# Altium PCB HW_V1.0.0.PcbDoc (continued)
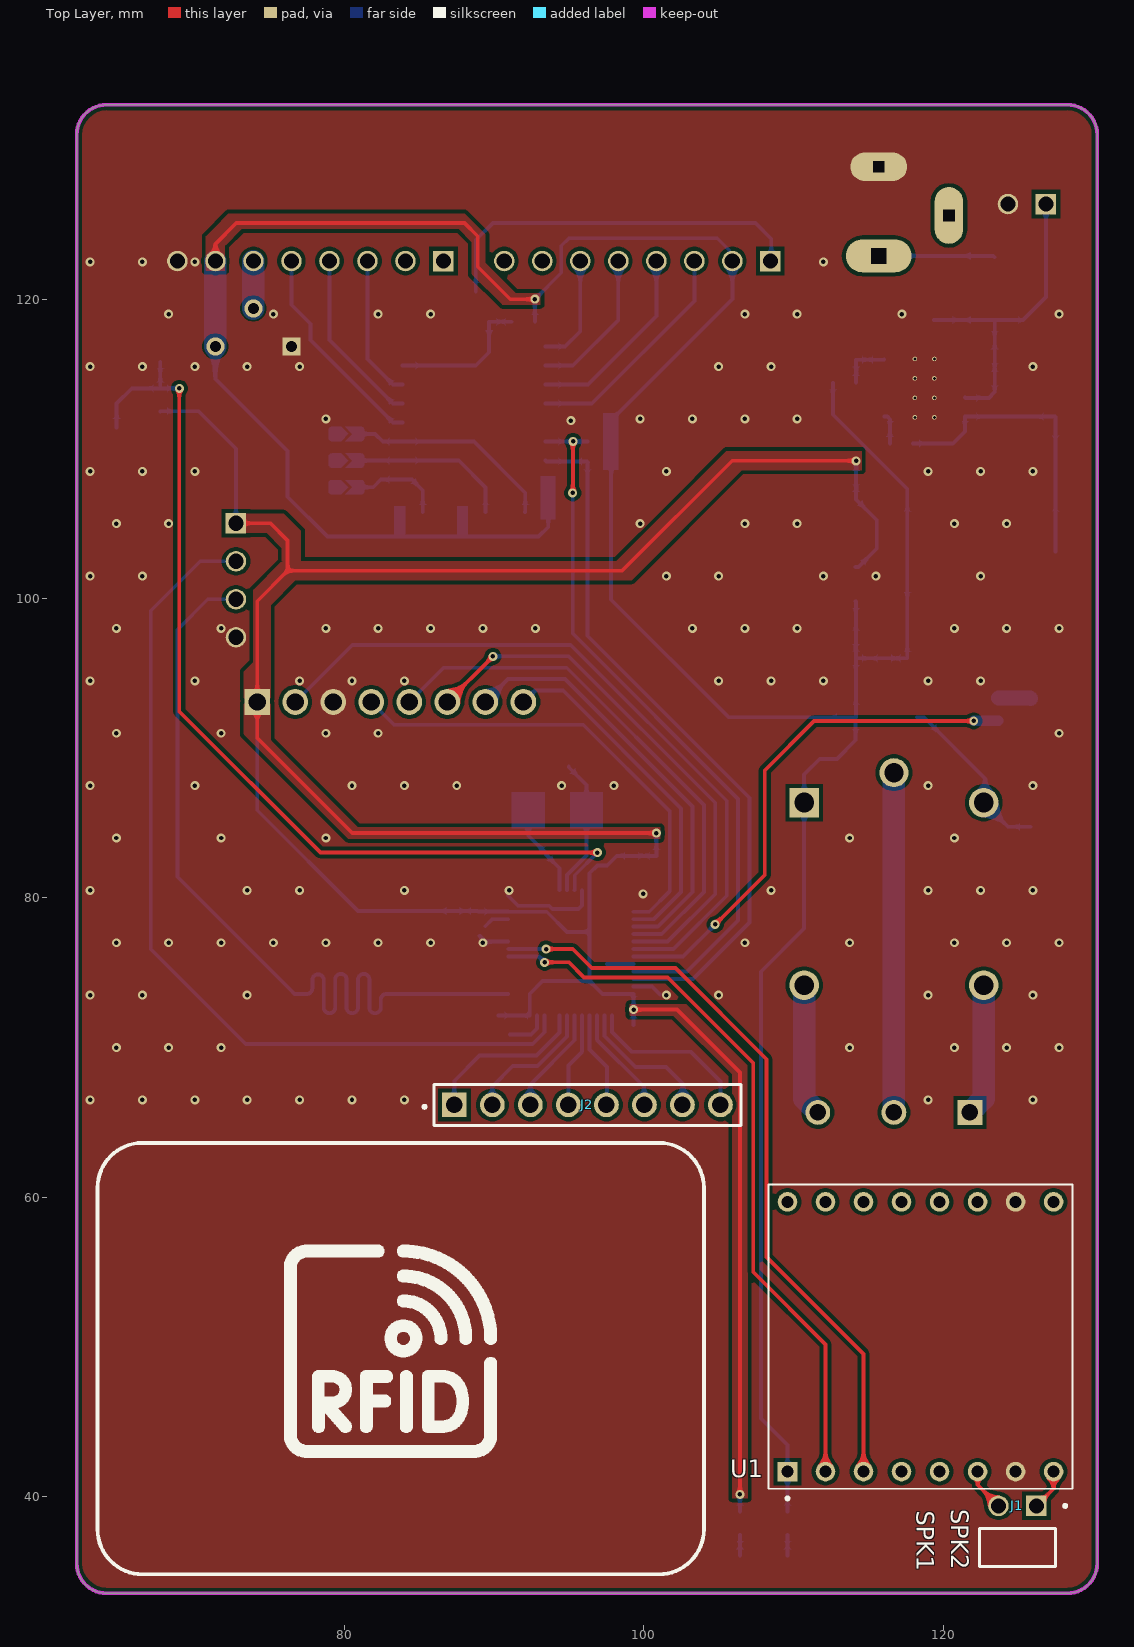
[diagram p0: Top Layer view]
## Footprints (in the part's own frame and the unit in brackets; to place one, negate y for a bottom-side part, rotate by r counter-clockwise, add the part's x,y. Pads: shape width x height; smd on the part's side, far side on the other; paste and mask are expansions set on the pad) (continued)
SW2-SMD [mm]
  rect 1.2x0.8 smd: 1(-3.5,0) 2(3.5,0)
  silkscreen extent -2.82,-1.85 2.82,1.85, body extent -3.05,-1.85 3.05,1.85, height 2.5
TE_282837-3 [mm]
  rect 1.65x1.65 hole 1.1: 1(-5.08,0)
  round 1.65 hole 1.1: 2(0,0) 3(5.08,0)
  silkscreen extent -8.5,-4.1 7.62,4.1, body extent -8.2,-4.11 7.64,4.09, height 9.95
TRIM_3362P-103 [mm]
  rect 1.222x1.222 / inner round 1.222 / far side rect 1.222x1.222 hole 0.714: 1(-2.54,0)
  round 1.222 hole 0.714: 2(0,2.54) 3(2.54,0)
  silkscreen extent -4.16,-3.53 3.3,3.47, body extent -3.3,-3.49 3.3,3.49, height 4.88
"XTAL 8MHz" [mil]
  round 1 smd: 1(-76.69,0) 2(76.69,0)
  Top Layer region: 33.39,47.24 120,47.24 120,-47.24 33.39,-47.24
  Top Layer region: -120,47.24 -120,-47.24 -33.39,-47.24 -33.39,47.24
  silkscreen extent -35,-70 35,70, body extent -98,-63 98,63, height 59

## Part data
3V3 5V: library part "LED SMD"
C1 C2 C3 C4 C5 C6 C7 C8 C9 C10 C11 C12 C13 C14 C15 C16 C17 C18 C19: library part CAP_SMD, "CAP_Chip"
D1 D3: library part "Diode SMD", "Default Diode", Code - JEDEC=DO-214-AB, Published=8-Jun-2000, Publisher="Altium Limited", Revision="July-2002: Re-released for DXP Platform."
D2: "DIODE SCHOTTKY 40V 5A SMA", MPN=SS34, Solder=SMT
F1: "Polymeric PTC Resettable Fuse 24V 1.5 A Ih Surface Mount 1812 (4532 Metric), Concave", Package="1812 Bourns", Check_prices=https://www.snapeda.com/parts/MF-MSMF150/24X-2/Bourns/view-part/?ref=eda, Digi-Key_Part_Number=MF-MSMF150/24X-2TR-ND, MF=Bourns, MP=MF-MSMF150/24X-2, Purchase-URL=https://pricing.snapeda.com/search/part/MF-MSMF150/24X-2/?ref=eda, SnapEDA_Link=https://www.snapeda.com/parts/MF-MSMF150/24X-2/Bourns/view-part/?ref=snap
J1 J6: "Connector Header Through Hole, Right Angle 2 position 0.100 (2.54mm)", Package=None, Check_prices=https://www.snapeda.com/parts/MTSW-102-08-G-S-100-RA/Samtec/view-part/?ref=eda, MF=Samtec, MP=MTSW-102-08-G-S-100-RA, SnapEDA_Link=https://www.snapeda.com/parts/MTSW-102-08-G-S-100-RA/Samtec/view-part/?ref=snap
J2: "8 pins, 1 row, straight, gold plating", Package=None, Check_prices=https://www.snapeda.com/parts/61300811121/Wurth+Electronics/view-part/?ref=eda, MF="Wurth Electronics", MP=61300811121, SnapEDA_Link=https://www.snapeda.com/parts/61300811121/Wurth+Electronics/view-part/?ref=snap
J3: Package=None, Availability=Unavailable, MF=Samtec, MP=HTSW-104-08-G-S-RA, Price=None
J4: "TERMI-BLOK PCB MOUNT 3P", Package=None, Availability=Unavailable, MP=282837-3, Price=None
J5: "Power Barrel Connector Jack 2.10mm ID _0.083_, 5.50mm OD _0.217_ Through Hole, Right Angle", Package="Non-Standard MPD", Availability=Unavailable, MF=MPD, MP=EJ508A, Price=None, SnapEDA_Link=https://www.snapeda.com/parts/EJ508A/MPD%20%28Memory%20Protection%20Devices%29/view-part/474399/?ref=snap
J7 J8: "Connector Header Through Hole, Right Angle 8 position 0.100 (2.54mm)", Package=None, Check_prices=https://www.snapeda.com/parts/TSW-108-10-S-S-RA/Samtec/view-part/?ref=eda, MF=Samtec, MP=TSW-108-10-S-S-RA, SnapEDA_Link=https://www.snapeda.com/parts/TSW-108-10-S-S-RA/Samtec/view-part/?ref=snap
K1: "5V Trigger Relay Module For Arduino And Raspberry Pi 5V Trigger Relay Module For Arduino And Raspberry Pi", Package="NON STANDARD-5 Songle Relay", Availability="Not in stock", Check_prices=https://www.snapeda.com/parts/SRD-05VDC-SL-C/Songle+Relay/view-part/?ref=eda, MF="Songle Relay", MP=SRD-05VDC-SL-C, Price=None, SnapEDA_Link=https://www.snapeda.com/parts/SRD-05VDC-SL-C/Songle+Relay/view-part/?ref=snap
L1: library part _IND
Q1: "Bipolar (BJT) Transistor NPN 25 V 500 mA 150MHz 300 mW Surface Mount SOT-23", Package=None, Availability="In Stock", Check_prices=https://www.snapeda.com/parts/S8050/Umwelt+Sensor+Teknik/view-part/?ref=eda, MF=UMW, MP=S8050, Price=None, Purchase-URL=https://pricing.snapeda.com/search/part/S8050/?ref=eda, SnapEDA_Link=https://www.snapeda.com/parts/S8050/Umwelt+Sensor+Teknik/view-part/?ref=snap
R1 R2 R3 R4 R7 R8 R9 R10 R11 R12: library part RES_SMD, "RES"
R5 R6: library part _RES_B_2, "RES"
RST: library part BT2, "Switch button 2 pin"
U1: "- MP3 Player Audio Arduino Platform Evaluation Expansion Board", Package=None, Check_prices=https://www.snapeda.com/parts/DFR0299/DFRobot/view-part/?ref=eda, MF=DFRobot, MP=DFR0299, SnapEDA_Link=https://www.snapeda.com/parts/DFR0299/DFRobot/view-part/?ref=snap
U2: "ARM® Cortex®-M3 STM32F1 Microcontroller IC 32-Bit 72MHz 64KB (64K x 8) FLASH 48-LQFP (7x7)", Package="LQFP-48 STMicroelectronics", Check_prices=https://www.snapeda.com/parts/STM32F103C8T6/STMicroelectronics/view-part/?ref=eda, MF=STMicroelectronics, MP=STM32F103C8T6, SnapEDA_Link=https://www.snapeda.com/parts/STM32F103C8T6/STMicroelectronics/view-part/?ref=snap
U3: "RFID RC522 Reader IC Card Module Tags SPI Interface Read and Write", Package=None, Availability="Not in stock", Check_prices=https://www.snapeda.com/parts/CEG006900/YKS/view-part/?ref=eda, MF=YKS, MP=CEG006900, Price=None, SnapEDA_Link=https://www.snapeda.com/parts/CEG006900/YKS/view-part/?ref=snap
U4: "Optocoupler DC-IN 1-CH Transistor DC-OUT 4-Pin DIP SMD T/R", Package="SMD-4 Sharp Microelectronics", Check_prices=https://www.snapeda.com/parts/PC817X2NIP1B/Sharp+Microelectronics/view-part/?ref=eda, MF="Sharp Microelectronics", MP=PC817X2NIP1B, SnapEDA_Link=https://www.snapeda.com/parts/PC817X2NIP1B/Sharp+Microelectronics/view-part/?ref=snap
U5: "5.5V to 36V Input, 3A, 500kHz Step-Down Converter", Package="HSOIC-8 Texas Instruments", Availability="In Stock", Check_prices=https://www.snapeda.com/parts/TPS5430DDAR/Texas+Instruments/view-part/?ref=eda, MF="Texas Instruments", MP=TPS5430DDAR, Price=None, Purchase-URL=https://pricing.snapeda.com/search/part/TPS5430DDAR/?ref=eda, SnapEDA_Link=https://www.snapeda.com/parts/TPS5430DDAR/Texas+Instruments/view-part/?ref=snap
U6: "1A LOW DROPOUT VOLTAGE REGULATOR SOT-223", Package="SOT-223 Seeed Technology", Check_prices=https://www.snapeda.com/parts/AMS1117/Advanced+Monolithic+Systems/view-part/?ref=eda, MF="Advanced Monolithic Systems", MP=AMS1117, SnapEDA_Link=https://www.snapeda.com/parts/AMS1117/Advanced+Monolithic+Systems/view-part/?ref=snap
U7: "I/O Expander 8 IÂ²C 100 kHz 20-SSOP", Package="SOIC-16 NXP Semiconductors", Availability="In Stock", Check_prices=https://www.snapeda.com/parts/PCF8574T/NXP+Semiconductors/view-part/?ref=eda, MF="NXP Semiconductors", MP=PCF8574T, Price=None, Purchase-URL=https://pricing.snapeda.com/search/part/PCF8574T/?ref=eda, SnapEDA_Link=https://www.snapeda.com/parts/PCF8574T/NXP+Semiconductors/view-part/?ref=snap
VR1: "10 kOhms 0.5W, 1/2W PC Pins Through Hole Trimmer Potentiometer Cermet 1 Turn Top Finger Adjustment", Package="3362P-1 Bourns Inc.", Check_prices=https://www.snapeda.com/parts/3362P-103/Bourns/view-part/?ref=eda, MF=Bourns, MP=3362P-103, SnapEDA_Link=https://www.snapeda.com/parts/3362P-103/Bourns/view-part/?ref=snap
X1: "8 MHz Â±20ppm Crystal 18pF 60 Ohms HC-49/US", Package="CSM-7X-3L-5G3X-2 ECS", Check_prices=https://www.snapeda.com/parts/ECS-080-18-5PX-JES-TR/ECS/view-part/?ref=eda, MF="ECS Inc.", MP=ECS-080-18-5PX-JES-TR, SnapEDA_Link=https://www.snapeda.com/parts/ECS-080-18-5PX-JES-TR/ECS/view-part/?ref=snap

## Via types
v1: diameter 0.6, hole 0.3, Top Layer to Bottom Layer, tented both sides, 149 vias

## Nets (pads, with @x,y where several pads share a name; then routed paths per layer and width w, separated by ;. In a path a pad name is that pad's centre, name@x,y a point inside that pad or via, vN(x,y) a via of type N, cw(c..) or ccw(c..) an arc to the next point about the centre after c; other vN are vias at no path point)
3V3: C1.2 C2.2 C3.2 C4.2 C5.2 C6.2 C17.2 C18.2 J3.01 R2.2 R3.2 U2.9 U2.24 U2.36 U2.48 U3.1 U6.2 | length 205.7
  Top Layer w0.254: J3.01 75.057,105.029 76.2,103.886 76.2,101.854 ; v1(99.314,72.533) 102.219,72.533 106.426,68.326 v1(106.426,40.132) ; v1(100.838,84.328) 80.518,84.328 74.168,90.678 U3.1 74.168,99.822 76.2,101.854 ; v1(114.186,109.207) 105.905,109.207 98.552,101.854 76.2,101.854
  Bottom Layer w0.254: R3.2 67.717,112.522 70.231,112.522 72.747,110.006 J3.01 ; U3.1 74.168,85.852 80.899,79.121 C5.2 C3.2 88.931,79.09 90.93,79.09 U2.48 93.516,79.077 94.869,77.724 96.373,77.724 ; C4.2 92.362,72.136 U2.36 92.373,73.577 93.238,74.442 96.373,74.442 ; C6.2 v1(99.314,72.533) 99.314,73.566 U2.24 97.238,73.577 96.373,74.442 ; v1(100.838,84.328) C2.2 C1.2 98.191,82.804 97.556,82.169 96.901,82.169 96.373,81.641 U2.9 96.373,77.724 ; R2.2 v1(106.426,40.132) ; U6.2 114.342,102.108 115.57,103.336 115.57,105.246 114.186,106.63 C18.2 C17.2 v1(114.186,109.207) ; 96.373,74.442 96.373,77.724
5V: C13.2 C14.2 C15.2 C16.2 C19.2 D1.1 J7.07 J8.02 K1.A1 L1.2 R1.2 R5.1 R7.2 R8.2 R9.2 R10.2 R11.2 R12.2 U1.1 U6.3 U7.16 VR1.3 | length 219.4
  Top Layer w0.254: J7.07 71.374,123.698 72.771,125.095 88.011,125.095 88.9,124.206 88.9,122.174 91.072,120.002 v1(92.723,120.002)
  Bottom Layer w0.254: VR1.3 71.374,114.681 76.2,109.855 76.2,106.807 78.867,104.14 83.693,104.14 ; R9.2 83.68,104.153 83.693,104.14 ; R10.2 87.871,104.153 87.884,104.14 ; R12.2 v1(92.723,120.002) 94.488,121.767 94.488,123.571 94.996,124.079 104.902,124.079 105.704,123.277 105.704,122.769 J8.02 105.918,120.015 97.803,111.9 C19.2 ; U7.16 93.472,107.95 93.612,107.81 R11.2 93.612,104.788 92.964,104.14 87.884,104.14 ; R8.2 97.816,99.923 105.664,92.075 D1.1 ; R1.2 U1.1 109.601,43.434 107.823,45.212 107.823,75.057 110.713,77.947 K1.A1 110.713,88.234 111.76,89.281 112.903,89.281 114.155,90.533 D1.1 ; R5.1 112.636,112.281 117.602,107.315 L1.2 C13.2 C14.2 C16.2 ; U6.3 114.173,99.797 C15.2 C16.2 ; 83.693,104.14 87.884,104.14 ; D1.1 114.173,92.093 C16.2
  Bottom Layer w1.5: VR1.3 J7.07
12V: C11.2 C12.2 D3.1 F1.2 J6.01 U5.7 | length 21.3
  Bottom Layer w0.254: D3.1 123.435,118.618 F1.2 ; U5.7 121.475,113.411 123.063,113.411 123.444,113.792 C12.2 C11.2 F1.2 ; J6.01 126.873,120.142 125.34,118.609 F1.2
COL_1: J2.5 U2.28 | length 6.5
  Bottom Layer w0.254: U2.28 96.373,69.87 97.536,68.707 97.536,66.202 J2.5
COL_2: J2.6 U2.27 | length 7.3
  Bottom Layer w0.254: U2.27 96.873,70.513 100.013,67.373 100.013,66.195 J2.6
COL_3: J2.7 U2.26 | length 9.4
  Bottom Layer w0.254: U2.26 97.373,70.775 99.441,68.707 101.473,68.707 102.616,67.564 102.616,66.202 J2.7
COL_4: J2.8 U2.25 | length 11.3
  Bottom Layer w0.254: U2.25 97.873,71.037 99.187,69.723 103.124,69.723 105.121,67.726 J2.8
GND: 3V3.2 5V.2 C1.1 C2.1 C3.1 C4.1 C5.1 C6.1 C7.1 C8.1 C9.1 C11.1 C12.1 C13.1 C14.1 C15.1 C16.1 C17.1 C18.1 C19.1 D2.1 D3.2 J3.04 J5.2 J6.02 J7.08 Q1.2 R6.2 RST.1 SB1.1 SB2.1 SB3.1 U1.7 U1.10 U2.8 U2.20 U2.23 U2.35 U2.44 U2.47 U3.3 U4.2 U4.3 U5.6 U5.9 U6.1 U7.8 VR1.1 | length 16.9
  Bottom Layer w0.254: 89.027,77.47 89.42,77.077 U2.44 ; 89.408,78.105 89.88,78.577 U2.47 ; 90.932,80.137 91.596,79.473 93.659,79.473 93.884,79.248 95.631,79.248 95.873,79.49 U2.8 ; 91.059,70.866 92.456,70.866 92.86,71.27 92.86,72.134 U2.35 ; 97.548,75.577 U2.20 ; U2.23 100.548,74.077 101.092,73.533
  other v1: 63,66.5 66.5,66.5 70,66.5 73.5,66.5 77,66.5 80.5,66.5 84,66.5 119,66.5 126,66.5 64.75,70 68.25,70 71.75,70 113.75,70 120.75,70 124.25,70 127.75,70 63,73.5 66.5,73.5 73.5,73.5 101.5,73.5 105,73.5 119,73.5 126,73.5 64.75,77 68.25,77 71.75,77 75.25,77 78.75,77 82.25,77 85.75,77 89.25,77 106.75,77 113.75,77 120.75,77 124.25,77 127.75,77 99.949,80.264 63,80.5 73.5,80.5 77,80.5 84,80.5 91,80.5 108.5,80.5 119,80.5 122.5,80.5 126,80.5 64.75,84 71.75,84 78.75,84 113.75,84 120.75,84 63,87.5 70,87.5 80.5,87.5 84,87.5 87.5,87.5 94.5,87.5 98,87.5 119,87.5 126,87.5 64.75,91 71.75,91 78.75,91 82.25,91 127.75,91 63,94.5 70,94.5 77,94.5 80.5,94.5 84,94.5 105,94.5 108.5,94.5 112,94.5 119,94.5 122.5,94.5 64.75,98 71.75,98 78.75,98 82.25,98 85.75,98 89.25,98 92.75,98 103.25,98 106.75,98 110.25,98 120.75,98 124.25,98 127.75,98 63,101.5 66.5,101.5 101.5,101.5 105,101.5 112,101.5 115.5,101.5 122.5,101.5 64.75,105 68.25,105 99.75,105 106.75,105 110.25,105 120.75,105 124.25,105 63,108.5 66.5,108.5 70,108.5 101.5,108.5 119,108.5 122.5,108.5 126,108.5 95.123,111.887 78.75,112 99.75,112 103.25,112 106.75,112 110.25,112 63,115.5 66.5,115.5 70,115.5 73.5,115.5 77,115.5 105,115.5 108.5,115.5 126,115.5 68.25,119 75.25,119 82.25,119 85.75,119 106.75,119 110.25,119 117.25,119 127.75,119 63,122.5 66.5,122.5 70,122.5 112,122.5
NetC10_1: C10.1 D2.2 L1.1 U5.8 | length 19.9
  Bottom Layer w0.254: C10.1 120.65,110.363 121.46,111.173 U5.8 127.493,112.156 D2.2 L1.1
NetC10_2: C10.2 U5.1 | length 2.1
  Bottom Layer w0.254: U5.1 116.273,112.156 116.446,111.983 C10.2
NetD1_2: D1.2 K1.A2 U4.4 | length 11.7
  Bottom Layer w0.254: D1.2 118.705,92.075 122.809,87.971 122.809,86.46 K1.A2 124.33,84.747 U4.4
NetF1_1: F1.1 J5.1 | length 7.8
  Bottom Layer w0.254: J5.1 123.355,122.898 F1.1
NetJ1_01: J1.01 U1.8 | length 2.8
  Top Layer w0.254: J1.01 127.381,40.513 U1.8
NetJ1_02: J1.02 U1.6 | length 2.9
  Top Layer w0.254: U1.6 122.32,41.637 122.32,40.748 J1.02
NetJ4_1: J4.1 K1.NO | length 8.9
  Bottom Layer w1.5: J4.1 122.713,66.579 K1.NO
NetJ4_2: J4.2 K1.COM | length 22.7
  Bottom Layer w1.5: J4.2 K1.COM
NetJ4_3: J4.3 K1.NC | length 8.9
  Bottom Layer w1.5: K1.NC 110.713,66.579 J4.3
NetJ7_06: J7.06 VR1.2 | length 3.2
  Bottom Layer w1.5: VR1.2 J7.06
NetJ8_01: J8.01 Q1.3 | length 25.6
  Bottom Layer w0.254: Q1.3 88.773,123.952 89.916,125.095 107.455,125.095 108.518,124.032 108.518,122.615 J8.01
NetLED1_1: 5V.1 R1.1 | length 1.4
  Bottom Layer w0.254: 5V.1 R1.1
NetLED2_1: 3V3.1 R2.1 | length 1.4
  Bottom Layer w0.254: 3V3.1 R2.1
NetR4_2: R4.2 U4.1 | length 2.2
  Bottom Layer w1: R4.2 125.819,93.345 U4.1
NetR5_2: R5.2 R6.1 U5.4 | length 3.4
  Bottom Layer w0.254: R5.2 R6.1 114.193,115.958 116.053,115.958 U5.4
NetR9_1: R9.1 SB1.2 U7.1 | length 6.3
  Bottom Layer w0.254: SB1.2 81.915,107.442 82.423,107.95 U7.1 84.506,107.95 85.23,107.226 R9.1
NetR10_1: R10.1 SB2.2 U7.2 | length 10.9
  Bottom Layer w0.254: SB2.2 U7.2 87.63,109.22 89.421,107.429 R10.1
NetR11_1: R11.1 SB3.2 U7.3 | length 14.1
  Bottom Layer w0.254: SB3.2 82.042,110.998 82.55,110.49 U7.3 88.646,110.49 92.075,107.061 92.075,105.804 R11.1
OSCIN: C7.2 U2.5 X1.1 | length 6.2
  Bottom Layer w0.254: X1.1 92.276,84.174 93.462,82.988 93.462,82.888 94.373,81.978 U2.5
OSCOUT: C8.2 U2.6 X1.2 | length 9.3
  Bottom Layer w0.254: U2.6 94.873,81.538 96.172,82.837 96.172,87.544 94.986,88.73 C8.2
P0: J7.05 U7.4 | length 14.2
  Bottom Layer w0.254: J7.05 76.454,119.634 77.724,118.364 77.724,117.272 83.236,111.76 U7.4
P1: J7.04 U7.5 | length 11.9
  Bottom Layer w0.254: J7.04 78.994,117.272 83.236,113.03 U7.5
P2: J7.03 U7.6 | length 9.6
  Bottom Layer w0.254: J7.03 81.534,116.002 83.236,114.3 U7.6
P3: Q1.1 R12.1 U7.7 | length 9.7
  Bottom Layer w0.254: U7.7 88.773,115.57 89.662,116.459 Q1.1 R12.1
P4: J8.06 U7.9 | length 7.5
  Bottom Layer w0.254: U7.9 94.742,116.84 95.758,117.856 J8.06
P5: J8.05 U7.10 | length 10.1
  Bottom Layer w0.254: U7.10 95.25,115.57 98.298,118.618 J8.05
P6: J8.04 U7.11 | length 13
  Bottom Layer w0.254: U7.11 96.266,114.3 100.838,118.872 J8.04
P7: J8.03 U7.12 | length 15.5
  Bottom Layer w0.254: U7.12 96.52,113.03 103.378,119.888 J8.03
PA0: U2.10
PA1: U2.11
PA2: U2.12
PA3: U2.13 U3.4 | length 31.3
  Bottom Layer w0.254: U3.4 83.312,91.567 95.957,91.567 101.727,85.797 101.727,80.436 100.368,79.077 U2.13
PA4: U2.14 U3.8 | length 23.6
  Bottom Layer w0.254: U3.8 91.972,93.091 92.734,93.853 94.615,93.853 102.489,85.979 102.489,80.391 100.675,78.577 U2.14
PA5: U2.15 U3.7 | length 28.6
  Bottom Layer w0.254: U3.7 90.932,94.615 94.742,94.615 103.251,86.106 103.251,80.391 100.937,78.077 U2.15
PA6: U2.16 U3.5 | length 36.1
  Bottom Layer w0.254: U3.5 86.614,95.377 94.851,95.377 104.013,86.215 104.013,80.391 101.199,77.577 U2.16
PA7: U2.17 U3.6 | length 36.1
  Top Layer w0.254: U3.6 v1(89.916,96.139)
  Bottom Layer w0.254: v1(89.916,96.139) 94.987,96.139 104.775,86.351 104.775,80.264 101.588,77.077 U2.17
PA12: U2.33
PA15: U2.38
PB0: U2.18 U3.2 | length 48.8
  Bottom Layer w0.254: U3.2 80.518,96.901 95.123,96.901 105.537,86.487 105.537,80.137 101.981,76.581 U2.18@99.303,76.581
PB1: R4.1 U2.19 | length 35
  Top Layer w0.254: v1(104.773,78.23) 108.077,81.534 108.077,88.519 111.379,91.821 v1(122.047,91.821)
  Bottom Layer w0.254: U2.19 102.62,76.077 v1(104.773,78.23)
  Bottom Layer w0.7: v1(122.047,91.821) R4.1@123.672,91.821
PB3: U2.39
PB4: U2.40
PB5: U2.41
PB6: U1.2 U2.42 | length 48.6
  Top Layer w0.254: v1(93.378,75.692) 94.996,75.692 96.012,74.676 101.6,74.676 107.315,68.961 107.315,54.991 112.141,50.165 U1.2
  Bottom Layer w0.254: U2.42 92.993,76.077 v1(93.378,75.692)
PB7: U1.3 U2.43 | length 50.6
  Top Layer w0.254: v1(93.472,76.581) 95.25,76.581 96.52,75.311 102.108,75.311 108.204,69.215 108.204,56.007 114.681,49.53 U1.3
  Bottom Layer w0.254: U2.43 93.468,76.577 v1(93.472,76.581)
PB8: U2.45
PB9: U2.46
PB10: R7.1 U2.21 U7.14 | length 47.8
  Top Layer w0.254: v1@95.262,107.061 95.262,110.485 v1(95.275,110.497)
  Bottom Layer w0.254: U7.14 93.425,110.494 95.271,110.494 v1(95.275,110.497) 95.278,110.494 96.249,110.494 R7.1 ; v1(95.25,107.061) 95.25,97.663 106.299,86.614 106.299,78.486 102.89,75.077 U2.21
PB11: R8.1 U2.22 U7.15 | length 47.5
  Bottom Layer w0.254: U7.15 93.485,109.156 96.203,109.156 R8.1 ; R8.1@96.234,109.125 96.234,97.513 107.061,86.686 107.061,78.359 103.279,74.577 U2.22
PC13: U2.2
PC14: U2.3
PC15: U2.4
RESET: C9.2 R3.1 RST.2 U2.7 | length 64.6
  Top Layer w0.254: v1(68.961,114.046) 68.961,92.456 78.39,83.027 v1(96.901,83.027)
  Bottom Layer w0.254: RST.2 64.77,113.03 65.786,114.046 R3.1 ; C9.2 R3.1 ; v1(68.961,114.046) R3.1 ; U2.7 95.386,80.52 95.386,81.512 v1(96.901,83.027)
ROW_1: J2.1 U2.32 | length 11.1
  Bottom Layer w0.254: J2.1 87.341,67.783 89.027,69.469 92.837,69.469 94.373,71.005 U2.32
ROW_2: J2.2 U2.31 | length 9
  Bottom Layer w0.254: J2.2 89.881,67.402 91.239,68.76 92.89,68.76 94.873,70.743 U2.31
ROW_3: J2.3 U2.30 | length 7.2
  Bottom Layer w0.254: J2.3 92.421,67.529 95.373,70.481 U2.30
ROW_4: J2.4 U2.29 | length 6.4
  Bottom Layer w0.254: J2.4 94.961,68.799 95.873,69.711 U2.29
SWCLK: J3.03 U2.37 | length 60.1
  Bottom Layer w0.254: J3.03 70.866,99.949 68.834,97.917 68.834,81.407 76.34,73.901 76.664,73.577 77.47,73.577 ccw(c77.47,73.958) 77.851,73.958 77.851,74.507 cw(c78.232,74.507) 78.613,74.507 78.613,72.669 ccw(c78.994,72.669) 79.375,72.669 79.375,74.541 cw(c79.756,74.541) 80.137,74.541 80.137,72.669 ccw(c80.518,72.669) 80.899,72.669 80.899,74.541 cw(c81.28,74.541) 81.661,74.541 81.661,72.669 ccw(c82.042,72.669) 82.423,72.669 82.423,73.196 cw(c82.804,73.196) 82.804,73.577 82.931,73.577 U2.37 U2.37@90.93,73.564
SWDIO: J3.02 U2.34 | length 60.1
  Bottom Layer w0.254: J3.02 70.358,102.489 67.056,99.187 67.056,76.581 73.406,70.231 86.106,70.231 92.583,70.231 93.373,71.021 U2.34
VBAT: U2.1
pads on no net: J5.3 J7.01 J7.02 J8.07 J8.08 U1.4 U1.5 U1.9 U1.11 U1.12 U1.13 U1.14 U1.15 U1.16 U5.2 U5.3 U5.5 U6.4 U7.13

## Polygon pours and split planes (outlines as drawn)
GND on Bottom Layer "GND_L02_P053" (solid, remove dead copper, pour order 53): 62.103,35.528 62.103,131 cw(c64.103,131) 64.103,133 128.302,133 cw(c128.302,131) 130.302,131 130.302,35.528 cw(c128.302,35.528) 128.302,33.528 64.103,33.528 cw(c64.103,35.528)
5V on Bottom Layer "5V_L02_P034" (solid, pour order 34): 106.68,122.428 106.68,123.317 105.41,124.587 94.615,124.587 93.98,123.952 93.98,121.92 92.329,120.269 92.329,117.983 93.091,117.983 93.091,119.761 94.996,121.666 94.996,123.063 95.631,123.698 104.521,123.698 105.156,123.063 105.156,122.428
NetC10_2 on Bottom Layer "NETC10_2_L02_P052" (solid, pour order 52): 116.84,109.855 116.078,109.855 116.078,112.395 116.84,112.395
NetC10_1 on Bottom Layer "NETC10_1_L02_P051" (solid, pour order 51): 120.777,112.395 122.174,112.395 122.174,111.252 120.777,109.855 117.602,109.855 117.602,110.744 117.729,110.871 120.015,110.871 120.777,111.633
NetC10_1 on Bottom Layer "NETC10_1_L02_P050" (solid, pour order 50): 120.777,112.458 120.777,111.887 125.349,111.887 126.365,110.871 127.254,110.871 127.254,113.411 126.238,113.411 125.414,112.587
NetC10_1 on Bottom Layer "NETC10_1_L02_P049" (solid, pour order 49): 128.27,113.411 126.746,113.411 126.746,105.156 128.27,105.156
NetF1_1 on Bottom Layer "NETF1_1_L02_P048" (solid, pour order 48): 123.317,123.571 123.317,122.047 114.173,122.047 114.173,123.571
12V on Bottom Layer "12V_L02_P042" (solid, pour order 42): 127.508,127 126.238,127 126.238,120.65 124.968,119.38 118.11,119.38 118.11,117.729 122.428,117.729 122.936,117.221 122.936,114.046 122.555,113.665 120.65,113.665 120.65,113.157 123.19,113.157 123.952,113.919 123.952,117.221 124.46,117.729 125.349,117.729 127.508,119.888 127.508,120.777
3V3 on Bottom Layer "3V3_L02_P041" (solid, pour order 41): 101.346,82.423 101.346,84.582 100.457,84.582 100.457,83.693 99.949,83.185 98.171,83.185 97.282,82.296 97.028,82.296 97.028,82.042 98.044,82.042 98.425,82.423
3V3 on Bottom Layer "3V3_L02_P040" (solid, pour order 40): 90.17,72.517 92.373,72.517 92.373,71.755 90.17,71.755
3V3 on Bottom Layer "3V3_L02_P039" (solid, pour order 39): 99.695,73.66 99.695,71.247 98.933,71.247 98.933,73.66
3V3 on Bottom Layer "3V3_L02_P038" (solid, pour order 38): 73.279,93.98 75.057,93.98 75.057,85.852 81.407,79.502 89.281,79.502 89.281,78.74 80.391,78.74 73.279,85.852
3V3 on Bottom Layer "3V3_L02_P037" (solid, pour order 37): 113.538,101.6 114.808,101.6 114.808,102.235 115.824,103.251 115.824,105.41 114.681,106.553 114.681,109.474 113.792,109.474 113.792,106.299 115.062,105.029 115.062,103.378 114.3,102.616 113.538,102.616
3V3 on Bottom Layer "3V3_L02_P036" (solid, pour order 36): 72.009,104.394 73.406,104.394 73.406,109.982 70.485,112.903 67.183,112.903 67.183,112.141 69.977,112.141 72.009,110.109
5V on Bottom Layer "5V_L02_P035" (solid, pour order 35): 93.091,105.283 94.107,105.283 94.107,104.394 93.345,103.632 78.358,103.632 75.565,106.425 75.565,109.474 70.612,114.427 70.612,117.856 72.136,117.856 72.136,114.808 76.835,110.109 76.835,107.061 79.248,104.648 92.71,104.648 93.091,105.029
5V on Bottom Layer "5V_L02_P033" (solid, pour order 33): 106.68,123.063 106.68,119.888 98.298,111.506 98.298,110.998 97.282,110.998 97.282,112.395 105.156,120.269 105.156,123.063
5V on Bottom Layer "5V_L02_P032" (solid, pour order 32): 113.03,114.808 112.268,114.808 112.268,112.014 116.205,108.077 116.205,105.537 118.999,105.537 118.999,106.553 113.03,112.522
5V on Bottom Layer "5V_L02_P031" (solid, pour order 31): 114.064,92.964 105.664,92.964 98.298,100.33 98.298,109.474 97.282,109.474 97.282,99.314 105.41,91.186 114.128,91.186
5V on Bottom Layer "5V_L02_P030" (solid, pour order 30): 115.443,91.694 115.443,90.043 111.76,87.249 111.76,77.978 108.585,74.803 108.585,45.847 110.236,44.196 110.236,38.608 109.093,38.608 109.093,42.545 107.061,44.577 107.061,75.946 109.855,78.74 109.728,78.867 109.728,87.503 112.776,90.551 112.776,91.694
5V on Bottom Layer "5V_L02_P029" (solid, pour order 29): 114.808,100.33 113.411,100.33 113.411,99.314 113.665,99.06 113.665,96.52 114.681,96.52 114.681,99.187 114.808,99.314
5V on Bottom Layer "5V_L02_P028" (solid, pour order 28): 114.681,96.52 114.681,93.599 115.443,92.837 115.443,91.186 112.776,91.186 112.776,92.837 113.665,93.726 113.665,96.52
5V on Bottom Layer "5V_L02_P027" (solid, pour order 27): 119.126,105.918 116.078,105.918 116.078,100.203 117.094,99.187 117.094,96.52 113.665,96.52 113.665,95.377 118.11,95.377 118.11,99.187 119.126,100.203 119.126,100.457
NetD1_2 on Bottom Layer "NETD1_2_L02_P026" (solid, pour order 26): 116.967,92.964 119.634,92.964 119.634,92.329 123.825,88.138 123.825,86.995 124.968,85.852 126.619,85.852 126.619,83.566 123.698,83.566 121.539,85.725 121.539,86.614 116.967,91.186
GND on Top Layer "GND_L01_P047" (solid, remove dead copper, pour order 47): 62.103,35.528 62.103,131 cw(c64.103,131) 64.103,133 128.302,133 cw(c128.302,131) 130.302,131 130.302,35.528 cw(c128.302,35.528) 128.302,33.528 64.103,33.528 cw(c64.103,35.528)
3V3 on Top Layer "3V3_L01_P046" (solid, pour order 46): 99.06,72.898 99.06,72.136 101.981,72.136 105.918,68.199 105.918,39.878 106.934,39.878 106.934,68.834 102.87,72.898
5V on Top Layer "5V_L01_P045" (solid, pour order 45): 93.091,120.396 93.091,119.634 90.551,119.634 88.519,121.666 88.519,123.825 87.63,124.714 73.152,124.714 72.009,123.571 72.009,121.92 70.739,121.92 70.739,124.206 72.263,125.73 88.011,125.73 89.408,124.333 89.408,122.428 91.44,120.396
3V3 on Top Layer "3V3_L01_P044" (solid, pour order 44): 72.136,105.664 72.136,104.394 74.803,104.394 75.819,103.378 75.819,102.489 77.089,102.489 77.089,104.521 75.946,105.664
3V3 on Top Layer "3V3_L01_P043" (solid, pour order 43): 73.279,93.345 75.057,93.345 75.057,99.568 76.708,101.219 99.187,101.219 106.553,108.585 114.554,108.585 114.554,109.855 105.537,109.855 101.6,105.918 98.171,102.489 75.819,102.489 73.914,100.584 73.914,95.758 73.279,95.123
3V3 on Top Layer "3V3_L01_P022" (solid, pour order 22): 101.092,84.709 101.092,83.947 80.264,83.947 73.279,90.932 73.279,92.964 75.057,92.964 75.057,90.551 80.899,84.709

## Keep-outs
Keep-Out Layer:
  the board outline again, w0.254

## Other copper
Bottom Layer:
  rectangle net 5V: 83.312,104.14 84.074,106.172
  rectangle net 5V: 87.503,104.14 88.265,106.172
  rectangle net 5V: 93.091,105.283 94.107,108.204
  rectangle net 5V: 97.282,108.585 98.298,112.395

## Silkscreen, mask and mechanical layers (free items; w line width, h text height)
Top Overlay:
  drawing of 17 lines, arcs and shapes, not listed
  text "SPK2" at 120.136,39.156 h2 r270
  text "SPK1" at 117.85,39.039 h2 r270
Bottom Overlay:
  text "E" at 81.782,128.936 h2 r270
  text "K" at 109.087,128.883 h2 r270
  text "A" at 106.547,128.814 h2 r270
  text "Vo" at 74.172,128.357 h2 r270
  text "RS" at 76.702,128.287 h2 r270
  text "RW" at 79.242,128.002 h2 r270
  text "DB1" at 87.241,127.906 h2 r270
  text "DB0" at 84.331,127.784 h2 r270
  text "DB2" at 91.305,127.789 h2 r270
  text "DB3" at 93.856,127.783 h2 r270
  text "DB4" at 96.387,127.785 h2 r270
  text "DB5" at 98.938,127.778 h2 r270
  text "DB6" at 101.476,127.783 h2 r270
  text "DB7" at 104.007,127.783 h2 r270
  text "VSS" at 69.082,127.675 h2 r270
  text "VDD" at 71.622,127.576 h2 r270
  text "12V" at 128.36,123.944 h2
  text "3V3" at 67.426,105.54 h2
  text "CLK" at 67.608,103.118 h2
  text "DIO" at 67.394,100.578 h2
  text "GND" at 67.934,98.038 h2